# Altium PCB slave.PcbDoc (part 4 of 5) (continued)
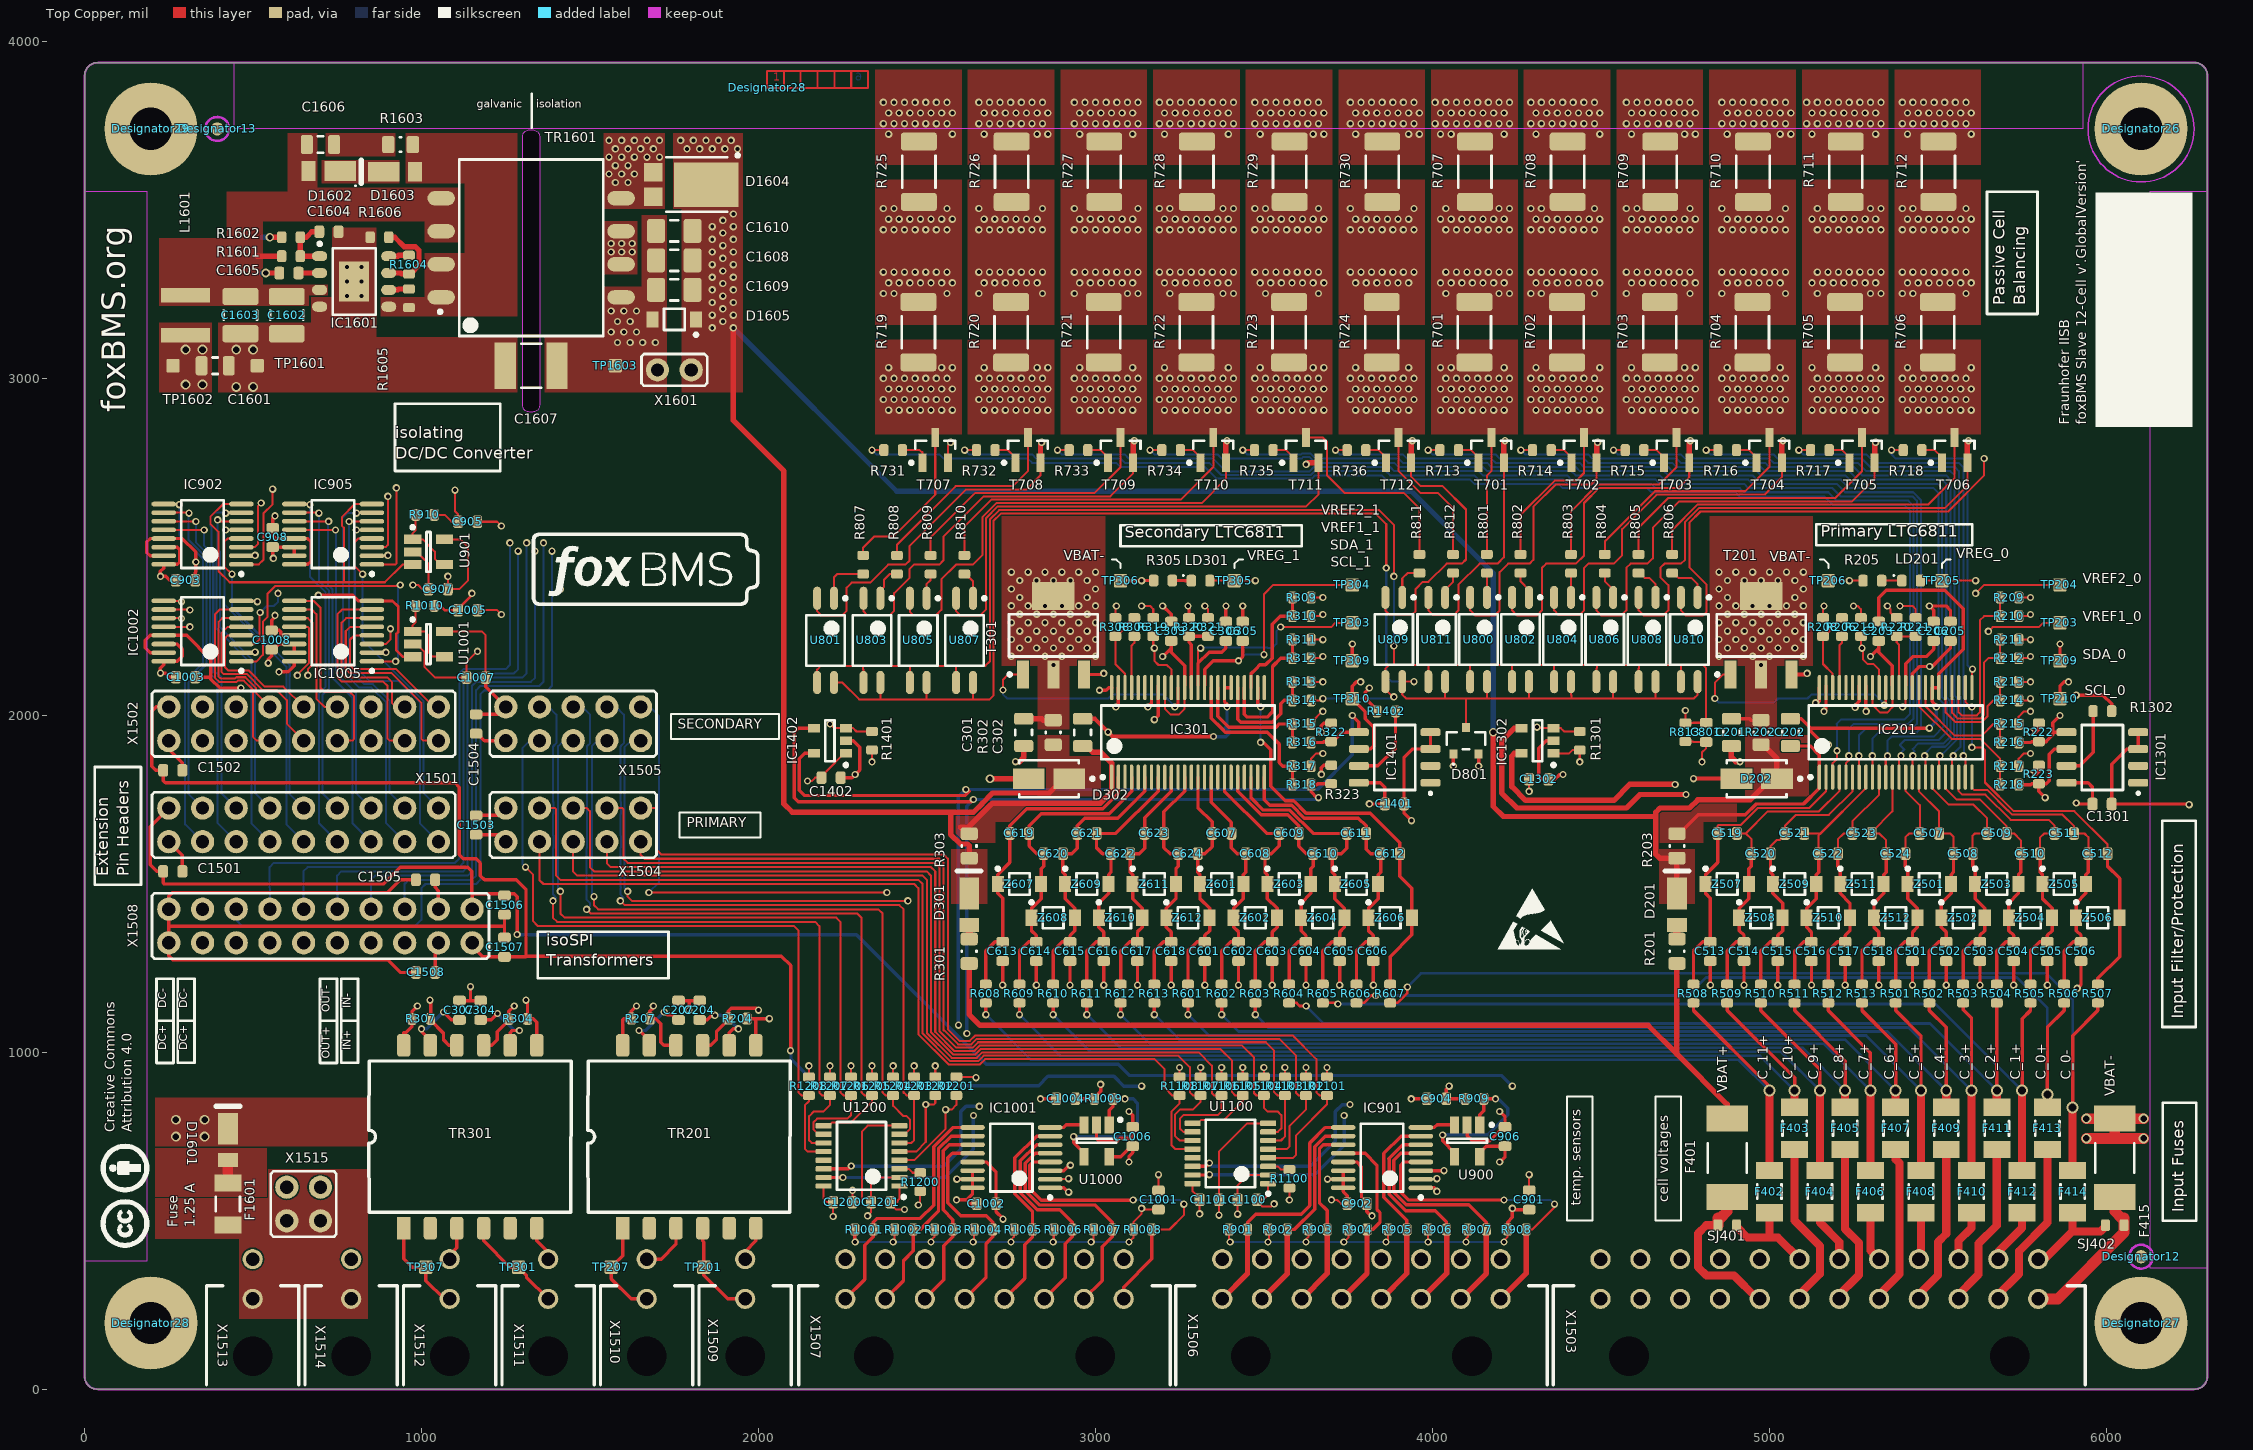
[diagram p0: Top Copper view]
## Nets (pads, with @x,y where several pads share a name; then routed paths per layer and width w, separated by ;. In a path a pad name is that pad's centre, name@x,y a point inside that pad or via, vN(x,y) a via of type N, cw(c..) or ccw(c..) an arc to the next point about the centre after c; other vN are vias at no path point) (continued)
  Top Copper w16: X1506.8@3375.85,268.43 3450.91,343.49 R901.1@3450.91,474.31
PRIMARY-TEMP-ALERT: IC1302.3 R1301.1 X1508.17 | length 5369.2
  Top Copper w6: v1(4310,1965) 4313.09,1961.91 IC1302.3@4358.95,1961.91 4380.67,1961.91 4390.51,1952.07 R1301.1@4436.71,1952.07
  Signal Layer 2 w6: v1(1411.71,2374.51) 1411.71,2474.51 1424.21,2487.01 4299.21,2487.01 4311.71,2474.51 4310,2472.8 v1(4310,1965)
  Signal Layer 3 w6: X1508.17@350,1425 467.52,1542.52 1026.13,1542.52 1127.38,1643.77 1127.38,2045.85 1411.71,2330.18 v1(1411.71,2374.51)
PRIMARY-WDT: IC201.39 R219.1 X1508.15 | length 6519.5
  Top Copper w6: R219.1@5271.09,2234.45 5271.09,2202.63 v1(5274.21,2199.51) 5277.38,2196.34 5277.38,2165.47 5290.17,2152.68 5307.31,2152.68 5325,2135 IC201.39@5325,2082.38
  Signal Layer 3 w6: v1(1386.71,2487.01) 1386.71,2537.01 1399.21,2549.51 5261.71,2549.51 5274.21,2537.01 v1(5274.21,2199.51)
  Bot Copper w6: X1508.15@450,1425 449.21,1393.26 468.47,1374 979.95,1374 999.21,1393.26 999.21,1487.01 1011.71,1499.51 1161.71,1499.51 1174.21,1512.01 1174.21,2062.01 1186.71,2074.51 1374.21,2074.51 1386.71,2087.01 v1(1386.71,2487.01)
R_FB: IC1601.6 R1605.1 | length 67.5
  Top Copper w16: IC1601.6@906.95,3267.03 IC1601.6@902.42,3262.5 928.92,3262.5 931.48,3265.06 R1605.1@962.5,3265.06
R_REF: IC1601.7 R1604.2 R1606.2 | length 257.8
  Top Copper w16: R1606.2@902.56,3418.75 920.34,3418.75 948.25,3390.84 981.15,3390.84 992.22,3379.77 992.22,3335.72 966.44,3309.94 R1604.2@962.5,3309.94 940.78,3309.94 938.22,3312.5 IC1601.7@902.42,3312.5 IC1601.7@906.95,3307.97
S1: IC201.25 R718.2 | length 957
  Top Copper w6: v1(5361.71,2787.01) R718.2@5394.69,2787.01 ; IC201.25@5600.59,2082.38 5600.59,2135.26 v1(5602.34,2137.01)
  Bot Copper w6: v1(5361.71,2787.01) 5361.71,2774.51 5374.21,2762.01 5574.21,2762.01 5586.71,2749.51 5586.71,2149.51 5599.21,2137.01 v1(5602.34,2137.01)
S2: IC201.23 R717.2 | length 1465.9
  Top Copper w6: v1(5086.71,2787.01) R717.2@5119.69,2787.01 ; v1(5575,1880) 5580.9,1874.1 IC201.23@5580.9,1816.64
  Bot Copper w6: v1(5086.71,2787.01) 5099.21,2774.51 5286.71,2774.51 5311.71,2749.51 5561.71,2749.51 5575,2736.22 5575,2060.72 5576.83,2058.89 5576.83,1881.83 v1(5575,1880)
S3: IC201.21 R716.2 | length 1729.3
  Top Copper w6: v1(4811.71,2787.01) R716.2@4844.69,2787.01 ; IC201.21@5541.53,1816.64 5541.53,1876.53 v1(5545,1880)
  Bot Copper w6: v1(4811.71,2787.01) 4824.21,2774.51 5011.71,2774.51 5024.21,2762.01 5274.21,2762.01 5299.21,2737.01 5549.21,2737.01 5561.71,2724.51 5561.71,2059.87 5566.83,2054.75 5566.83,1907.69 5545,1885.87 v1(5545,1880)
S4: IC201.19 R715.2 | length 1999.6
  Top Copper w6: v1(4536.71,2787.01) R715.2@4569.69,2787.01 ; IC201.19@5502.16,1816.64 5502.16,1877.16 v1(5505,1880)
  Bot Copper w6: v1(4536.71,2787.01) 4549.21,2774.51 4736.71,2774.51 4749.21,2762.01 4999.21,2762.01 5011.71,2749.51 5261.71,2749.51 5286.71,2724.51 5536.71,2724.51 5549.21,2712.01 5549.21,2058.23 5556.83,2050.61 5556.83,1928.84 5514.99,1887.01 5511.71,1887.01 5505,1880.3 v1(5505,1880)
S5: IC201.17 R714.2 | length 2291.3
  Top Copper w6: v1(4261.71,2787.01) R714.2@4294.69,2787.01 ; v1(5460,1880) 5462.79,1877.21 IC201.17@5462.79,1816.64
  Bot Copper w6: v1(4261.71,2787.01) 4274.21,2774.51 4461.71,2774.51 4474.21,2762.01 4724.21,2762.01 4736.71,2749.51 4986.71,2749.51 4999.21,2737.01 5249.21,2737.01 5274.21,2712.01 5524.21,2712.01 5536.71,2699.51 5536.71,2056.58 5546.83,2046.47 5546.83,1932.98 5520.67,1906.83 5481.53,1906.83 5460,1885.3 v1(5460,1880)
S6: IC201.15 R713.2 | length 2583.2
  Top Copper w6: v1(3986.71,2787.01) R713.2@4019.69,2787.01 ; IC201.15@5423.42,1816.64 5423.42,1878.42 v1(5425,1880)
  Bot Copper w6: v1(3986.71,2787.01) 3999.21,2774.51 4186.71,2774.51 4199.21,2762.01 4449.21,2762.01 4461.71,2749.51 4711.71,2749.51 4724.21,2737.01 4974.21,2737.01 4986.71,2724.51 5236.71,2724.51 5261.71,2699.51 5511.71,2699.51 5524.21,2687.01 5524.21,2054.94 5536.83,2042.33 5536.83,1937.13 5516.53,1916.83 5441.53,1916.83 5424.21,1899.51 5430,1893.72 5425,1888.72 v1(5425,1880)
S7: IC201.13 R736.2 | length 2872.4
  Top Copper w6: v1(3711.71,2787.01) R736.2@3744.69,2787.01 ; IC201.13@5384.05,1816.64 5384.05,1874.05 v1(5390,1880)
  Bot Copper w6: v1(3711.71,2787.01) 3724.21,2774.51 3911.71,2774.51 3924.21,2762.01 4174.21,2762.01 4186.71,2749.51 4436.71,2749.51 4449.21,2737.01 4699.21,2737.01 4711.71,2724.51 4961.71,2724.51 4974.21,2712.01 5224.21,2712.01 5249.21,2687.01 5499.21,2687.01 5511.83,2674.39 5511.83,2053.18 5526.83,2038.18 5526.83,1952.13 5501.53,1926.83 5401.53,1926.83 5386.71,1912.01 5400,1898.72 5390,1888.72 v1(5390,1880)
S8: IC201.11 R735.2 | length 3147
  Top Copper w6: v1(3436.71,2787.01) R735.2@3469.69,2787.01 ; IC201.11@5344.68,1816.64 5344.68,1874.68 v1(5350,1880)
  Bot Copper w6: v1(3436.71,2787.01) 3449.21,2774.51 3609.5,2774.51 3611.82,2776.83 3638.18,2776.83 3653,2762.01 3899.21,2762.01 3911.71,2749.51 4161.71,2749.51 4174.21,2737.01 4424.21,2737.01 4436.71,2724.51 4686.71,2724.51 4699.21,2712.01 4949.21,2712.01 4961.71,2699.51 5211.71,2699.51 5236.71,2674.51 5486.71,2674.51 5501.83,2659.39 5501.83,2049.04 5516.83,2034.04 5516.83,1967.13 5486.71,1937.01 5361.71,1937.01 5349.21,1924.51 5350,1923.72 v1(5350,1880)
S9: IC201.9 R734.2 | length 3333.7
  Top Copper w6: v1(3161.71,2787.01) R734.2@3194.69,2787.01 ; v1(5305,1880) 5305.31,1879.69 IC201.9@5305.31,1816.64
  Bot Copper w6: v1(3161.71,2787.01) 3174.21,2774.51 3361.71,2774.51 3374.21,2762.01 3611.14,2762.01 3615.96,2766.83 3634.04,2766.83 3651.36,2749.51 3886.71,2749.51 3899.21,2737.01 4149.21,2737.01 4161.71,2724.51 4411.71,2724.51 4424.21,2712.01 4674.21,2712.01 4686.71,2699.51 4936.71,2699.51 4949.21,2687.01 5199.21,2687.01 5224.21,2662.01 5425.85,2662.01 5449.21,2638.65 5449.21,1962.01 5436.71,1949.51 5324.21,1949.51 5305,1930.3 v1(5305,1880)
S10: IC201.7 R733.2 | length 3629.1
  Top Copper w6: v1(2886.71,2787.01) R733.2@2919.69,2787.01 ; v1(5265,1880) 5265.94,1879.06 IC201.7@5265.94,1816.64
  Bot Copper w6: v1(2886.71,2787.01) 2899.21,2774.51 3086.71,2774.51 3099.21,2762.01 3349.21,2762.01 3388.05,2723.17 3634.04,2723.17 3647.88,2737.01 3874.21,2737.01 3886.71,2724.51 4136.71,2724.51 4149.21,2712.01 4399.21,2712.01 4411.71,2699.51 4661.71,2699.51 4674.21,2687.01 4924.21,2687.01 4936.71,2674.51 5186.71,2674.51 5211.71,2649.51 5424.21,2649.51 5436.83,2636.89 5436.83,1974.63 5424.21,1962.01 5286.71,1962.01 5265,1940.3 v1(5265,1880)
S11: IC201.5 R732.2 | length 3909.3
  Top Copper w6: v1(2611.71,2787.01) R732.2@2644.69,2787.01 ; IC201.5@5226.57,1816.64 5226.57,1858.04 5235,1866.47 v1(5235,1880)
  Bot Copper w6: v1(2611.71,2787.01) 2624.21,2774.51 2811.71,2774.51 2824.21,2762.01 3074.21,2762.01 3086.71,2749.51 3336.71,2749.51 3373.05,2713.17 3638.18,2713.17 3649.52,2724.51 3861.71,2724.51 3874.21,2712.01 4124.21,2712.01 4136.71,2699.51 4386.71,2699.51 4399.21,2687.01 4649.21,2687.01 4661.71,2674.51 4911.71,2674.51 4924.21,2662.01 5174.21,2662.01 5199.21,2637.01 5411.71,2637.01 5426.83,2621.89 5426.83,1989.63 5411.71,1974.51 5249.21,1974.51 5235,1960.3 v1(5235,1880)
S12: IC201.3 R731.2 | length 4190.9
  Top Copper w6: v1(2336.71,2787.01) R731.2@2369.69,2787.01 ; IC201.3@5187.2,1816.64 5187.2,1858.04 5200,1870.84 v1(5200,1895)
  Bot Copper w6: v1(2336.71,2787.01) 2349.21,2774.51 2536.71,2774.51 2549.21,2762.01 2799.21,2762.01 2811.71,2749.51 3061.71,2749.51 3074.21,2737.01 3324.21,2737.01 3358.05,2703.17 3642.33,2703.17 3651.16,2712.01 3849.21,2712.01 3861.71,2699.51 4111.71,2699.51 4124.21,2687.01 4374.21,2687.01 4386.71,2674.51 4636.71,2674.51 4649.21,2662.01 4899.21,2662.01 4911.71,2649.51 5161.71,2649.51 5186.71,2624.51 5399.21,2624.51 5416.83,2606.89 5416.83,2004.63 5399.21,1987.01 5211.71,1987.01 5199.21,1974.51 5200,1973.72 v1(5200,1895)
SECONDARY-ANALOG-IN_0: IC1005.4 X1502.1 | length 460.2
  Top Copper w6: IC1005.4@852.66,2237.2 799.7,2237.2 787.5,2225 787.5,2148.72 799.21,2137.01 924.21,2137.01 1036.22,2025 X1502.1@1049.99,2025
SECONDARY-ANALOG-IN_1: IC1005.5 X1502.2 | length 620.7
  Top Copper w6: IC1005.5@852.66,2262.8 787.8,2262.8 775,2250 775,2137.5 787.5,2125 911.22,2125 999.21,2037.01 999.21,1930.79 1005,1925 X1502.2@1049.99,1925
SECONDARY-ANALOG-IN_2: IC1005.6 X1502.3 | length 511.2
  Top Copper w6: IC1005.6@852.66,2288.39 775.89,2288.39 762.5,2275 762.5,2125 775,2112.5 898.72,2112.5 911.71,2099.51 911.71,2037.01 923.72,2025 X1502.3@950,2025
SECONDARY-ANALOG-IN_3: IC1005.7 X1502.4 | length 664
  Top Copper w6: IC1005.7@851.5,2314 764,2314 750,2300 750,2112.5 762.5,2100 886.22,2100 899.21,2087.01 899.21,1930.79 905,1925 X1502.4@950,1925
SECONDARY-ANALOG-IN_4: IC1005.12 X1502.5 | length 497.4
  Top Copper w6: IC1005.12@622.34,2262.8 662.76,2262.8 665.76,2259.8 665.76,2154.68 631.25,2120.17 v1(631.25,2118.75)
  Signal Layer 3 w6: v1(631.25,2118.75) 631.25,2100 643.75,2087.5 836.71,2087.5 850,2074.21 X1502.5@850,2025
SECONDARY-ANALOG-IN_5: IC1005.11 X1502.6 | length 680.5
  Top Copper w6: IC1005.11@622.34,2288.39 662.76,2288.39 675.76,2275.39 675.76,2150.54 662.5,2137.28 v1(662.5,2118.75)
  Signal Layer 3 w6: v1(662.5,2118.75) 662.5,2112.5 675,2100 887.5,2100 900,2087.5 900,1937.01 887.99,1925 X1502.6@850,1925
SECONDARY-ANALOG-IN_6: IC1005.10 X1502.7 | length 392.9
  Top Copper w6: IC1005.10@623.5,2314 673.5,2314 687.5,2300 687.5,2049.51 712.01,2025 X1502.7@750,2025
SECONDARY-ANALOG-IN_7: IC1005.9 X1502.8 | length 612.5
  Top Copper w6: IC1005.9@622.34,2339.57 679.18,2339.57 700,2318.75 700,2081.25 712.5,2068.75 787.5,2068.75 800,2056.25 800,1930 795,1925 X1502.8@750,1925
SECONDARY-ANALOG-IN_8: IC1002.4 X1502.9 | length 419.9
  Top Copper w6: IC1002.4@465.16,2237.2 424.74,2237.2 416.71,2229.17 416.71,2143.29 426.92,2133.08 486.92,2133.08 535,2085 590,2085 X1502.9@650,2025
SECONDARY-ANALOG-IN_9: IC1002.5 X1502.10 | length 550.9
  Top Copper w6: IC1002.5@465.16,2262.8 424.74,2262.8 406.71,2244.77 406.71,2128.29 411.92,2123.08 481.08,2123.08 529.15,2075 570,2075 600,2045 600,1975 X1502.10@650,1925
SECONDARY-ANALOG-IN_10: IC1002.6 X1502.11 | length 436.6
  Top Copper w6: IC1002.6@465.16,2288.39 408.39,2288.39 396.71,2276.71 396.71,2116.15 403.35,2109.51 447,2109.51 450.57,2113.08 476.93,2113.08 509.21,2080.8 509.21,2065.79 X1502.11@550,2025
SECONDARY-ANALOG-IN_11: IC1002.7 X1502.12 | length 596.1
  Top Copper w6: IC1002.7@464,2314 401.5,2314 386.71,2299.21 386.71,2112.01 399.21,2099.51 451.14,2099.51 454.71,2103.08 472.79,2103.08 499.21,2076.66 499.21,1937.01 511.22,1925 X1502.12@550,1925
SECONDARY-ANALOG-IN_12: IC1002.12 X1502.13 | length 447.9
  Top Copper w6: IC1002.12@234.84,2262.8 312.2,2262.8 v1(312.5,2262.5)
  Signal Layer 3 w6: v1(312.5,2262.5) 287.5,2237.5 287.5,2125 300,2112.5 337.5,2112.5 362.5,2087.5 387.5,2087.5 406.25,2068.75 406.25,2037.5 418.75,2025 X1502.13@450,2025
SECONDARY-ANALOG-IN_13: IC1002.11 X1502.14 | length 555.4
  Top Copper w6: IC1002.11@234.84,2288.39 286.61,2288.39 v1(287.5,2287.5)
  Signal Layer 3 w6: v1(287.5,2287.5) 275,2275 275,2112.5 287.5,2100 325,2100 350,2075 375,2075 393.75,2056.25 393.75,1937.5 406.25,1925 X1502.14@450,1925
SECONDARY-ANALOG-IN_14: IC1002.10 X1502.15 | length 466.7
  Top Copper w6: IC1002.10@234.84,2313.98 311.02,2313.98 v1(312.5,2312.5)
  Signal Layer 3 w6: v1(312.5,2312.5) 275,2312.5 262.5,2300 262.5,2100 275,2087.5 312.5,2087.5 320,2080 320,2055 X1502.15@350,2025
SECONDARY-ANALOG-IN_15: IC1002.9 X1502.16 | length 563.2
  Top Copper w6: IC1002.9@234.84,2339.57 285.43,2339.57 v1(287.5,2337.5)
  Signal Layer 3 w6: v1(287.5,2337.5) 262.5,2337.5 250,2325 250,2087.5 262.5,2075 287.5,2075 300,2062.5 300,1987.5 312.5,1975 331.25,1975 350,1956.25 X1502.16@350,1925
SECONDARY-C0: C612.2 IC301.26 R607.2 Z606.2 | length 1226.9
  Top Copper w10: IC301.26@3480.9,2082.38 3480.9,2034.1 v1(3490,2025) ; v1(3490,1920) 3497.47,1920 3520,1897.47 3520,1790 3563,1747 3587.36,1747 3624.36,1710 3815,1710 3902.75,1622.25 C612.2@3902.75,1589.51 3902.75,1522.25 3938.58,1486.42 Z606.2@3938.58,1399.51 3938.58,1348.58 3874.21,1284.21 R607.2@3874.21,1202.07
  Bot Copper w6: v1(3490,1920) v1(3490,2025)
SECONDARY-C1: C606.1 C611.2 C612.1 IC301.24 R606.2 Z605.2 Z606.1 | length 961.5
  Top Copper w10: IC301.24@3500.59,1816.64 3500.59,1749.41 3517,1733 3581.56,1733 3619.56,1695 3779.96,1695 3802.75,1672.21 C611.2@3802.75,1649.51 3802.75,1602.75 3816,1589.51 C612.1@3845.67,1589.51 3845.67,1534.61 3838.58,1527.53 Z605.2@3838.58,1499.51 3838.58,1456.27 3809.84,1427.53 Z606.1@3809.84,1399.51 3809.84,1361.19 3824.21,1346.82 C606.1@3824.21,1328.05 3801.51,1328.05 3774.21,1300.75 R606.2@3774.21,1202.07
SECONDARY-C2: C605.1 C610.2 C611.1 IC301.22 R605.2 Z604.2 Z605.1 | length 910.1
  Top Copper w10: IC301.22@3461.22,1816.64 3461.22,1755.66 3497.88,1719 3575.76,1719 3645.25,1649.51 C611.1@3745.67,1649.51 3745.67,1605.67 3729.51,1589.51 C610.2@3702.75,1589.51 ; R605.2@3674.21,1202.07 3674.21,1300.75 3701.51,1328.05 C605.1@3724.21,1328.05 3724.21,1357.12 3738.58,1371.49 Z604.2@3738.58,1399.51 3738.58,1427.53 3709.84,1456.27 Z605.1@3709.84,1499.51 3709.84,1527.53 3702.75,1534.61 C610.2@3702.75,1574.51
SECONDARY-C3: C604.1 C609.2 C610.1 IC301.20 R604.2 Z603.2 Z604.1 | length 804.5
  Top Copper w10: IC301.20@3421.85,1816.64 3421.85,1775.23 3492.08,1705 3569.96,1705 3602.75,1672.21 C609.2@3602.75,1649.51 3602.75,1612.25 3625.49,1589.51 C610.1@3645.67,1589.51 ; R604.2@3574.21,1202.07 3574.21,1300.75 3601.51,1328.05 C604.1@3624.21,1328.05 3624.21,1346.82 3609.84,1361.19 Z604.1@3609.84,1399.51 3609.84,1442.75 3638.58,1471.49 Z603.2@3638.58,1499.51 3638.58,1544.72 3645.67,1551.81 C610.1@3645.67,1574.51
SECONDARY-C4: C603.1 C608.2 C609.1 IC301.18 R603.2 Z602.2 Z603.1 | length 772.7
  Top Copper w10: IC301.18@3382.48,1816.64 3382.48,1775.23 3508.2,1649.51 C609.1@3545.67,1649.51 3545.67,1626.81 3545,1626.14 3545,1612.99 3521.52,1589.51 C608.2@3502.75,1589.51 ; R603.2@3474.21,1202.07 3474.21,1300.75 3501.51,1328.05 C603.1@3524.21,1328.05 3524.21,1357.12 3538.58,1371.49 Z602.2@3538.58,1399.51 3538.58,1427.53 3509.84,1456.27 Z603.1@3509.84,1499.51 3509.84,1527.53 3502.75,1534.61 C608.2@3502.75,1574.51
SECONDARY-C5: C602.1 C607.2 C608.1 IC301.16 R602.2 Z601.2 Z602.1 | length 711.6
  Top Copper w10: IC301.16@3343.11,1816.64 3343.11,1741.89 3402.75,1682.25 C607.2@3402.75,1649.51 3402.75,1607.25 3420.49,1589.51 C608.1@3445.67,1589.51 ; R602.2@3374.21,1202.07 3374.21,1300.75 3401.51,1328.05 C602.1@3424.21,1328.05 3424.21,1357.12 3409.84,1371.49 Z602.1@3409.84,1399.51 3409.84,1427.53 3438.58,1456.27 Z601.2@3438.58,1499.51 3438.58,1527.53 3445.67,1534.61 C608.1@3445.67,1574.51
SECONDARY-C6: C601.1 C607.1 C624.2 IC301.14 R601.2 Z601.1 Z612.2 | length 702.3
  Top Copper w10: R601.2@3274.21,1202.07 3274.21,1300.75 3301.51,1328.05 C601.1@3324.21,1328.05 3324.21,1346.82 3338.58,1361.19 Z612.2@3338.58,1399.51 3338.58,1427.53 3309.84,1456.27 Z601.1@3309.84,1499.51 3309.84,1527.53 3302.75,1534.61 C624.2@3302.75,1574.51 ; C624.2@3302.75,1589.51 3324.51,1589.51 3345.67,1610.67 C607.1@3345.67,1649.51 3345.67,1684.33 3303.74,1726.26 IC301.14@3303.74,1816.64
SECONDARY-C7: C618.1 C623.2 C624.1 IC301.12 R613.2 Z611.2 Z612.1 | length 712.1
  Top Copper w10: R613.2@3174.21,1202.07 3174.21,1300.75 3201.51,1328.05 C618.1@3224.21,1328.05 3224.21,1357.12 3209.84,1371.49 Z612.1@3209.84,1399.51 3209.84,1427.53 3238.58,1456.27 Z611.2@3238.58,1499.51 3238.58,1544.72 3245.67,1551.81 C624.1@3245.67,1574.51 ; C624.1@3245.67,1589.51 3221,1589.51 3202.75,1607.75 C623.2@3202.75,1649.51 3202.75,1713.62 3264.37,1775.23 IC301.12@3264.37,1816.64
SECONDARY-C8: C617.1 C622.2 C623.1 IC301.10 R612.2 Z610.2 Z611.1 | length 720.7
  Top Copper w10: R612.2@3074.21,1202.07 3074.21,1300.75 3101.51,1328.05 C617.1@3124.21,1328.05 3124.21,1357.12 3138.58,1371.49 Z610.2@3138.58,1399.51 3138.58,1427.53 3109.84,1456.27 Z611.1@3109.84,1499.51 3109.84,1527.53 3102.75,1534.61 C622.2@3102.75,1574.51 ; C622.2@3102.75,1589.51 3129.51,1589.51 3145.67,1605.67 C623.1@3145.67,1649.51 3145.67,1695.9 3225,1775.23 IC301.10@3225,1816.64
SECONDARY-C9: C616.1 C621.2 C622.1 IC301.8 R611.2 Z609.2 Z610.1 | length 796.1
  Top Copper w10: R611.2@2974.21,1202.07 2974.21,1300.75 3001.51,1328.05 C616.1@3024.21,1328.05 3024.21,1357.12 3009.84,1371.49 Z610.1@3009.84,1399.51 3009.84,1442.75 3038.58,1471.49 Z609.2@3038.58,1499.51 3038.58,1527.53 3045.67,1534.61 C622.1@3045.67,1574.51 ; C622.1@3045.67,1589.51 3020.49,1589.51 3002.75,1607.25 C621.2@3002.75,1649.51 3059.9,1649.51 3185.63,1775.23 IC301.8@3185.63,1816.64
SECONDARY-C10: C615.1 C620.2 C621.1 IC301.6 R610.2 Z608.2 Z609.1 | length 828.1
  Top Copper w10: R610.2@2874.21,1202.07 2874.21,1300.75 2901.51,1328.05 C615.1@2924.21,1328.05 2924.21,1346.82 2938.58,1361.19 Z608.2@2938.58,1399.51 2938.58,1427.53 2909.84,1456.27 Z609.1@2909.84,1499.51 2909.84,1527.53 2902.75,1534.61 C620.2@2902.75,1574.51 ; C620.2@2902.75,1589.51 2929.51,1589.51 2945.67,1605.67 C621.1@2945.67,1649.51 2945.67,1672.21 2967.97,1694.51 3065.53,1694.51 3146.26,1775.23 IC301.6@3146.26,1816.64
SECONDARY-C11: C614.1 C619.2 C620.1 IC301.4 R609.2 Z607.2 Z608.1 | length 927.7
  Top Copper w10: R609.2@2774.21,1202.07 2774.21,1300.75 2801.51,1328.05 C614.1@2824.21,1328.05 2824.21,1346.82 2809.84,1361.19 Z608.1@2809.84,1399.51 2809.84,1427.53 2838.58,1456.27 Z607.2@2838.58,1499.51 2838.58,1544.72 2845.67,1551.81 C620.1@2845.67,1574.51 ; C620.1@2845.67,1589.51 2825.49,1589.51 2802.75,1612.25 C619.2@2802.75,1649.51 2802.75,1672.21 2839.05,1708.51 3040.16,1708.51 3106.89,1775.23 IC301.4@3106.89,1816.64
SECONDARY-C12: C613.1 C619.1 IC301.2 R608.2 Z607.1 | length 934.8
  Top Copper w10: R608.2@2674.21,1202.07 2674.21,1300.75 2701.51,1328.05 C613.1@2724.21,1328.05 2724.21,1457.12 2709.84,1471.49 Z607.1@2709.84,1499.51 2709.84,1527.53 2745.67,1563.35 C619.1@2745.67,1649.51 2745.67,1672.21 2795.97,1722.51 3021.55,1722.51 3067.52,1768.48 IC301.2@3067.52,1816.64
SECONDARY-DIGITAL-IO_0: R1201.1 U1200.4 X1505.1 | length 2367.4
  Top Copper w6: v1(1674.21,1474.51) v1(2380.46,1474.51) ; U1200.4@2417.66,679.96 2462.27,679.96 2555,772.69 v1(2555,830) 2572.77,830 2586.71,843.94 R1201.1@2586.71,871.95 R1201.1@2582.77,871.95
  Signal Layer 2 w6: v1(2380.46,1474.51) 2448.83,1474.51 2555,1368.34 v1(2555,830)
  Bot Copper w6: X1505.1@1650,2025 1676.85,2025 1705,1996.85 1705,1505.28 v1(1674.21,1474.51)
SECONDARY-DIGITAL-IO_1: R1202.1 U1200.5 X1505.2 | length 2220.5
  Top Copper w6: v1(1611.71,1477.63) 1611.71,1462.01 1624.21,1449.51 v1(2442.96,1449.51) ; U1200.5@2417.66,705.55 2467.26,705.55 2496.07,734.36 v1(2496.07,845) 2520,845 2524.21,849.21 R1202.1@2524.21,871.95
  Signal Layer 2 w6: v1(2442.96,1449.51) 2496.07,1396.4 v1(2496.07,845)
  Bot Copper w6: v1(1611.71,1477.63) 1603.36,1486.01 1601.45,1487.92 1601.45,1904.87 1621.58,1925 X1505.2@1650,1925
SECONDARY-DIGITAL-IO_2: R1203.1 U1200.6 X1505.3 | length 2238
  Top Copper w6: v1(1589.84,1449.51) 1602.34,1437.01 2417.96,1437.01 2430.46,1424.51 2430.46,879.54 2432.4,879.54 2439.99,871.95 R1203.1@2461.71,871.95 2461.71,739.17 2453.69,731.14 U1200.6@2417.66,731.14
  Bot Copper w6: X1505.3@1550,2025 1576.85,2025 1600,2001.85 1600,1917.56 1591.45,1909.01 1591.45,1907.83 1590,1906.38 1590,1743.62 1591.45,1742.17 1591.45,1707.83 1590,1706.38 1590,1643.62 1591.45,1642.17 1591.45,1607.83 1590,1606.38 1590,1492.33 1591.35,1490.98 1591.35,1488.14 1589.88,1486.67 1589.88,1468.59 1599.4,1459.07 v1(1589.84,1449.51)
SECONDARY-DIGITAL-IO_3: R1204.1 U1200.7 X1505.4 | length 2123.2
  Top Copper w6: v1(1511.71,1462.01) 1511.71,1437.01 1524.21,1424.51 2355.46,1424.51 2367.96,1412.01 2367.96,880.76 2368.68,880.76 2377.49,871.95 R1204.1@2399.21,871.95 2399.21,841.32 2430,810.53 2439.47,810.53 2450,800 2450,773.32 2433.41,756.73 U1200.7@2417.66,756.73
  Bot Copper w6: v1(1511.71,1462.01) 1505,1468.72 1505,1908.42 1521.58,1925 X1505.4@1550,1925
SECONDARY-DIGITAL-IO_4: R1205.1 U1200.9 X1505.5 | length 2220.1
  Top Copper w6: v1(1489.84,1424.51) 1502.34,1412.01 2292.96,1412.01 2305.46,1399.51 2305.46,880.76 2306.18,880.76 2314.99,871.95 R1205.1@2336.71,871.95 2336.71,854.17 2274.99,792.45 2219.13,792.45 2209,782.32 U1200.9@2193.26,782.32
  Bot Copper w6: X1505.5@1450,2025 1476.85,2025 1500,2001.85 1500,1917.56 1491.45,1909.01 1491.45,1607.83 1489.88,1606.27 1489.88,1452.97 1500,1442.85 1500,1434.67 v1(1489.84,1424.51)
SECONDARY-DIGITAL-IO_5: R1206.1 U1200.10 X1505.6 | length 2169.9
  Top Copper w6: v1(1411.71,1477.63) 1411.71,1412.01 1424.21,1399.51 2230.46,1399.51 2242.96,1387.01 2242.96,880.76 2243.68,880.76 2252.49,871.95 R1206.1@2274.21,871.95 2274.21,813.72 2263.64,803.15 2173.84,803.15 2162.5,791.81 2162.5,771.74 2177.51,756.73 U1200.10@2193.26,756.73
  Bot Copper w6: v1(1411.71,1477.63) 1405,1484.36 1405,1908.42 1421.58,1925 X1505.6@1450,1925
SECONDARY-DIGITAL-IO_6: R1207.1 U1200.11 X1505.7 | length 2228.5
  Top Copper w6: v1(1389.84,1449.51) 1389.84,1399.51 1402.34,1387.01 2167.96,1387.01 2180.46,1374.51 2180.46,880.76 2189.27,871.95 R1207.1@2211.71,871.95 2211.71,843.45 2193.26,825 2164.47,825 2150,810.53 2150,738.39 2157.24,731.14 U1200.11@2193.26,731.14
  Bot Copper w6: X1505.7@1350,2025 1376.85,2025 1400,2001.85 1400,1917.56 1391.45,1909.01 1391.45,1907.83 1389.88,1906.27 1389.88,1743.73 1391.45,1742.17 1391.45,1707.83 1389.88,1706.27 1389.88,1643.73 1391.45,1642.17 1391.45,1607.83 1389.88,1606.27 1389.88,1468.59 1399.4,1459.07 v1(1389.84,1449.51)
SECONDARY-DIGITAL-IO_7: R1208.1 U1200.12 X1505.8 | length 2122.7
  Top Copper w6: v1(1308.59,1549.51) 1330,1528.1 1330,1390 1345.49,1374.51 2105.46,1374.51 2117.96,1362.01 2117.96,880.76 2118.68,880.76 2127.49,871.95 R1208.1@2149.21,871.95 2149.21,854.17 2137.5,842.46 2137.5,713.71 2145.66,705.55 U1200.12@2193.26,705.55
  Bot Copper w6: v1(1308.59,1549.51) 1300,1558.1 1300,1903.42 1321.58,1925 X1505.8@1350,1925
SECONDARY-GPIO1: IC301.27 R309.2 R310.2 | length 349.1
  Top Copper w10: IC301.27@3461.22,2082.38 3461.22,2123.79 3476.22,2138.78 3487.43,2150 3504.17,2150 3523.83,2169.66 3523.83,2189.87 3523.71,2189.99 3523.71,2270.21 3548.01,2294.51 R310.2@3584.15,2294.51 R309.2@3584.15,2349.51
SECONDARY-GPIO1-OPT: R309.1 X1508.6 | length 3653.2
  Top Copper w6: R309.1@3641.24,2349.51 v1(3674.21,2349.51)
  Signal Layer 3 w6: X1508.6@950,1325 901,1374 901,1458 935.52,1492.52 1046.84,1492.52 1177.38,1623.06 1177.38,2025.14 1609.07,2456.83 3566.89,2456.83 v1(3674.21,2349.51)
SECONDARY-GPIO2: IC301.28 R311.2 R312.2 | length 431.4
  Top Copper w10: IC301.28@3441.53,2082.38 3441.53,2003.47 3450,1995 3510,1995 3525,2010 3525,2145 3549.51,2169.51 R312.2@3584.15,2169.51 R311.2@3584.15,2224.51
SECONDARY-GPIO2-OPT: R311.1 X1508.8 | length 3921.1
  Top Copper w6: R311.1@3641.24,2224.51 v1(3674.21,2224.51)
  Signal Layer 3 w6: X1508.8@850,1325 800,1375 800,1453 849.52,1502.52 1042.7,1502.52 1167.38,1627.2 1167.38,2029.28 1604.93,2466.83 3587.76,2466.83 3696.04,2358.55 3696.04,2246.34 v1(3674.21,2224.51)
SECONDARY-GPIO3: IC301.29 R313.2 R314.2 | length 360
  Top Copper w10: IC301.29@3421.85,2082.38 3421.85,1988.15 3431,1979 3524,1979 3550,2005 3550,2035 3559.51,2044.51 R314.2@3584.15,2044.51 R313.2@3584.15,2099.51
SECONDARY-GPIO3-OPT: R313.1 X1508.10 | length 4168.7
  Top Copper w6: R313.1@3641.24,2099.51 v1(3674.21,2099.51)
  Signal Layer 3 w6: X1508.10@750,1325 702,1373 702,1454 760.52,1512.52 1038.56,1512.52 1157.38,1631.34 1157.38,2033.42 1600.78,2476.83 3591.9,2476.83 3706.04,2362.69 3706.04,2131.34 v1(3674.21,2099.51)
SECONDARY-GPIO4: IC301.32 R315.2 R316.2 | length 378.8
  Top Copper w10: IC301.32@3362.79,2082.38 3362.79,1997.21 3395,1965 3535.98,1965 3545.49,1974.51 R315.2@3584.15,1974.51 R316.2@3584.15,1919.51
SECONDARY-GPIO4-OPT: R315.1 X1508.12 | length 4399.1
  Top Copper w6: R315.1@3639.27,1974.51 3639.27,1978.45 3672.83,2012.01 v1(3674.21,2012.01)
  Signal Layer 3 w6: X1508.12@650,1325 602,1373 602,1451 673.52,1522.52 1034.41,1522.52 1147.38,1635.48 1147.38,2037.56 1596.64,2486.83 3596.05,2486.83 3716.04,2366.84 3716.04,2053.84 v1(3674.21,2012.01)
SECONDARY-GPIO5: IC301.33 R317.2 R318.2 | length 477.7
  Top Copper w10: IC301.33@3343.11,2082.38 3343.11,1991.89 3375.5,1959.5 3385,1950 3510,1950 3545,1915 3545,1860 3555.49,1849.51 R317.2@3584.15,1849.51 R318.2@3584.15,1794.51
SECONDARY-GPIO5-OPT: R317.1 X1508.14 | length 4661.1
  Top Copper w6: R317.1@3639.27,1849.51 3639.27,1871.23 3655.05,1887.01 v1(3674.21,1887.01)
  Signal Layer 3 w6: X1508.14@550,1325 500,1375 500,1449 583.52,1532.52 1030.27,1532.52 1137.38,1639.62 1137.38,2041.7 1592.5,2496.83 3600.19,2496.83 3726.04,2370.98 3726.04,1938.84 v1(3674.21,1887.01)
SECONDARY-IN+: TP301.1 TR301.4 X1511.1 | length 304.3
  Top Copper w10: TR301.4@1183.9,478.35 1183.9,440.6 1262,362.5 TP301.1@1287.5,362.5 1311.18,338.82 1311.18,332.85 X1511.1@1375.6,268.43
SECONDARY-IN-: TR301.6 X1511.2 | length 105.9
  Top Copper w10: TR301.6@1341.9,478.35 1341.9,440.6 1375.6,406.89 X1511.2@1375.6,386.42
SECONDARY-IN_N1: IC301.41 R304.2 TR301.7 | length 2930.8
  Top Copper w10: v1(1310,1155) 1314.27,1150.73 R304.2@1314.27,1099.51 1332.05,1099.51 1341.9,1089.66 TR301.7@1341.9,1020.85 ; v1(3174.21,1987.01) 3185.63,1998.43 IC301.41@3185.63,2088.68
  Signal Layer 3 w10: v1(1310,1155) 1310,1185 1326.01,1201.01 2567.71,1201.01 2583.71,1217.01 2583.71,1968.51 2599.71,1984.51 3171.71,1984.51 v1(3174.21,1987.01)
SECONDARY-IN_P1: IC301.42 R304.1 TR301.9 | length 2974
  Top Copper w10: TR301.9@1183.9,1020.85 1207.9,1020.85 1225,1037.95 1225,1061.42 1259.15,1095.57 R304.1@1259.15,1099.51 1259.15,1121.65 v1(1275,1137.5) ; v1(3155,2025) 3165.94,2035.94 IC301.42@3165.94,2082.38
  Signal Layer 3 w10: v1(1275,1137.5) 1275,1204.51 1287.5,1217.01 2551.71,1217.01 2567.71,1233.01 2567.71,1984.51 2583.71,2000.51 3149.21,2000.51 3161.71,2013.01 3155,2019.72 v1(3155,2025)
SECONDARY-MUX-DATA_TEMP: C1004.2 R310.1 R1009.2 | length 2606.1
  Top Copper w6: R310.1@3641.24,2294.51 3669.21,2294.51 v1(3674.21,2299.51)
  Top Copper w10: C1004.2@2940.25,862.01 R1009.2@2996.65,862.01 2996.65,865.95 3015,884.3 v1(3015,905)
  Signal Layer 2 w6: v1(3015,905) 3019.02,905 3037.01,887.01 3050,900 3050,1125 3062.5,1137.5 3062.5,1962.5 3037.5,1987.5 3037.5,2050 3050,2062.5 3050,2137.5 3036.71,2150.79 3036.71,2449.51 3049.21,2462.01 3686.71,2462.01 3699.21,2449.51 3699.21,2312.01 3686.71,2299.51 v1(3674.21,2299.51)
SECONDARY-MUX-DATA_USER: C1005.2 R312.1 R1010.2 | length 3178.9
  Top Copper w6: R312.1@3641.24,2169.51 3669.21,2169.51 v1(3674.21,2174.51)
  Top Copper w8: R1010.2@1037.56,2325 1055.34,2325 1068.33,2312.01 C1005.2@1108.17,2312.01 1108.17,2315.95 1149.21,2356.99 v1(1149.21,2362.01)
  Signal Layer 2 w6: v1(1149.21,2362.01) 1161.71,2349.51 1449.21,2349.51 1461.71,2362.01 1461.71,2462.01 1474.21,2474.51 3699.21,2474.51 3711.71,2462.01 3711.71,2187.01 3699.21,2174.51 v1(3674.21,2174.51)
SECONDARY-OPA_TEMP: IC1001.8 U1000.3 | length 103.4
  Top Copper w10: IC1001.8@2865.16,777.07 2905.57,777.07 2913.25,784.74 U1000.3@2965.35,784.74
SECONDARY-OPA_USER: IC1002.8 IC1005.8 U1001.3 | length 676.4
  Top Copper w6: IC1002.8@465.16,2339.57 510.43,2339.57 v1(512.5,2337.5)
  Top Copper w8: IC1005.8@823.13,2339.57 IC1005.8@852.66,2339.57 913.86,2339.57 930.83,2322.6 930.83,2247.54 925,2241.72 925,2193.04 943.83,2174.21 U1001.3@973.42,2174.21
  Top Copper w10: v1(693.75,2356.25) 795.56,2356.25 812.24,2339.57 IC1005.8@823.13,2339.57
  Signal Layer 3 w6: v1(512.5,2337.5) 612.5,2337.5 631.25,2356.25 v1(693.75,2356.25)
SECONDARY-OUT+: TP307.1 TR301.1 X1512.1 | length 299.7
  Top Copper w10: TR301.1@946.9,478.35 946.9,388.1 972.5,362.5 TP307.1@1012.5,362.5 1012.5,322.5 1066.57,268.43 X1512.1@1083.34,268.43
SECONDARY-OUT-: TR301.3 X1512.2 | length 100.9
  Top Copper w10: X1512.2@1083.34,386.42 1083.34,398.34 1104.9,419.9 TR301.3@1104.9,478.35
SECONDARY-OUT_N1: IC301.47 R307.2 TR301.10 | length 3130.3
  Top Copper w10: v1(1025,1155) 1026.77,1153.23 R307.2@1026.77,1099.51 1026.77,1095.57 1065,1057.34 1065,1036.75 1080.9,1020.85 TR301.10@1104.9,1020.85 ; v1(3060,2025) 3067.52,2032.52 IC301.47@3067.52,2082.38
  Signal Layer 3 w10: v1(1025,1155) 1025,1230 1040,1245 2515.7,1245 2535.71,1265.01 2535.71,2016.51 2551.71,2032.51 3057.21,2032.51 3060,2029.72 v1(3060,2025)